# Altium PCB CL-HC-M-V2.1gerber.PcbDoc (part 11 of 16)
Units mil, origin at the board's own origin, x right, y up, seen from the top; angles counter-clockwise.
Board outline 27559.06 x 27559.06 mil, 2 copper layers (TopLayer, BottomLayer); 575 components, 528 nets, 1941 pads, 1850 vias.
Unrouted connection lines stored in the file: 70.
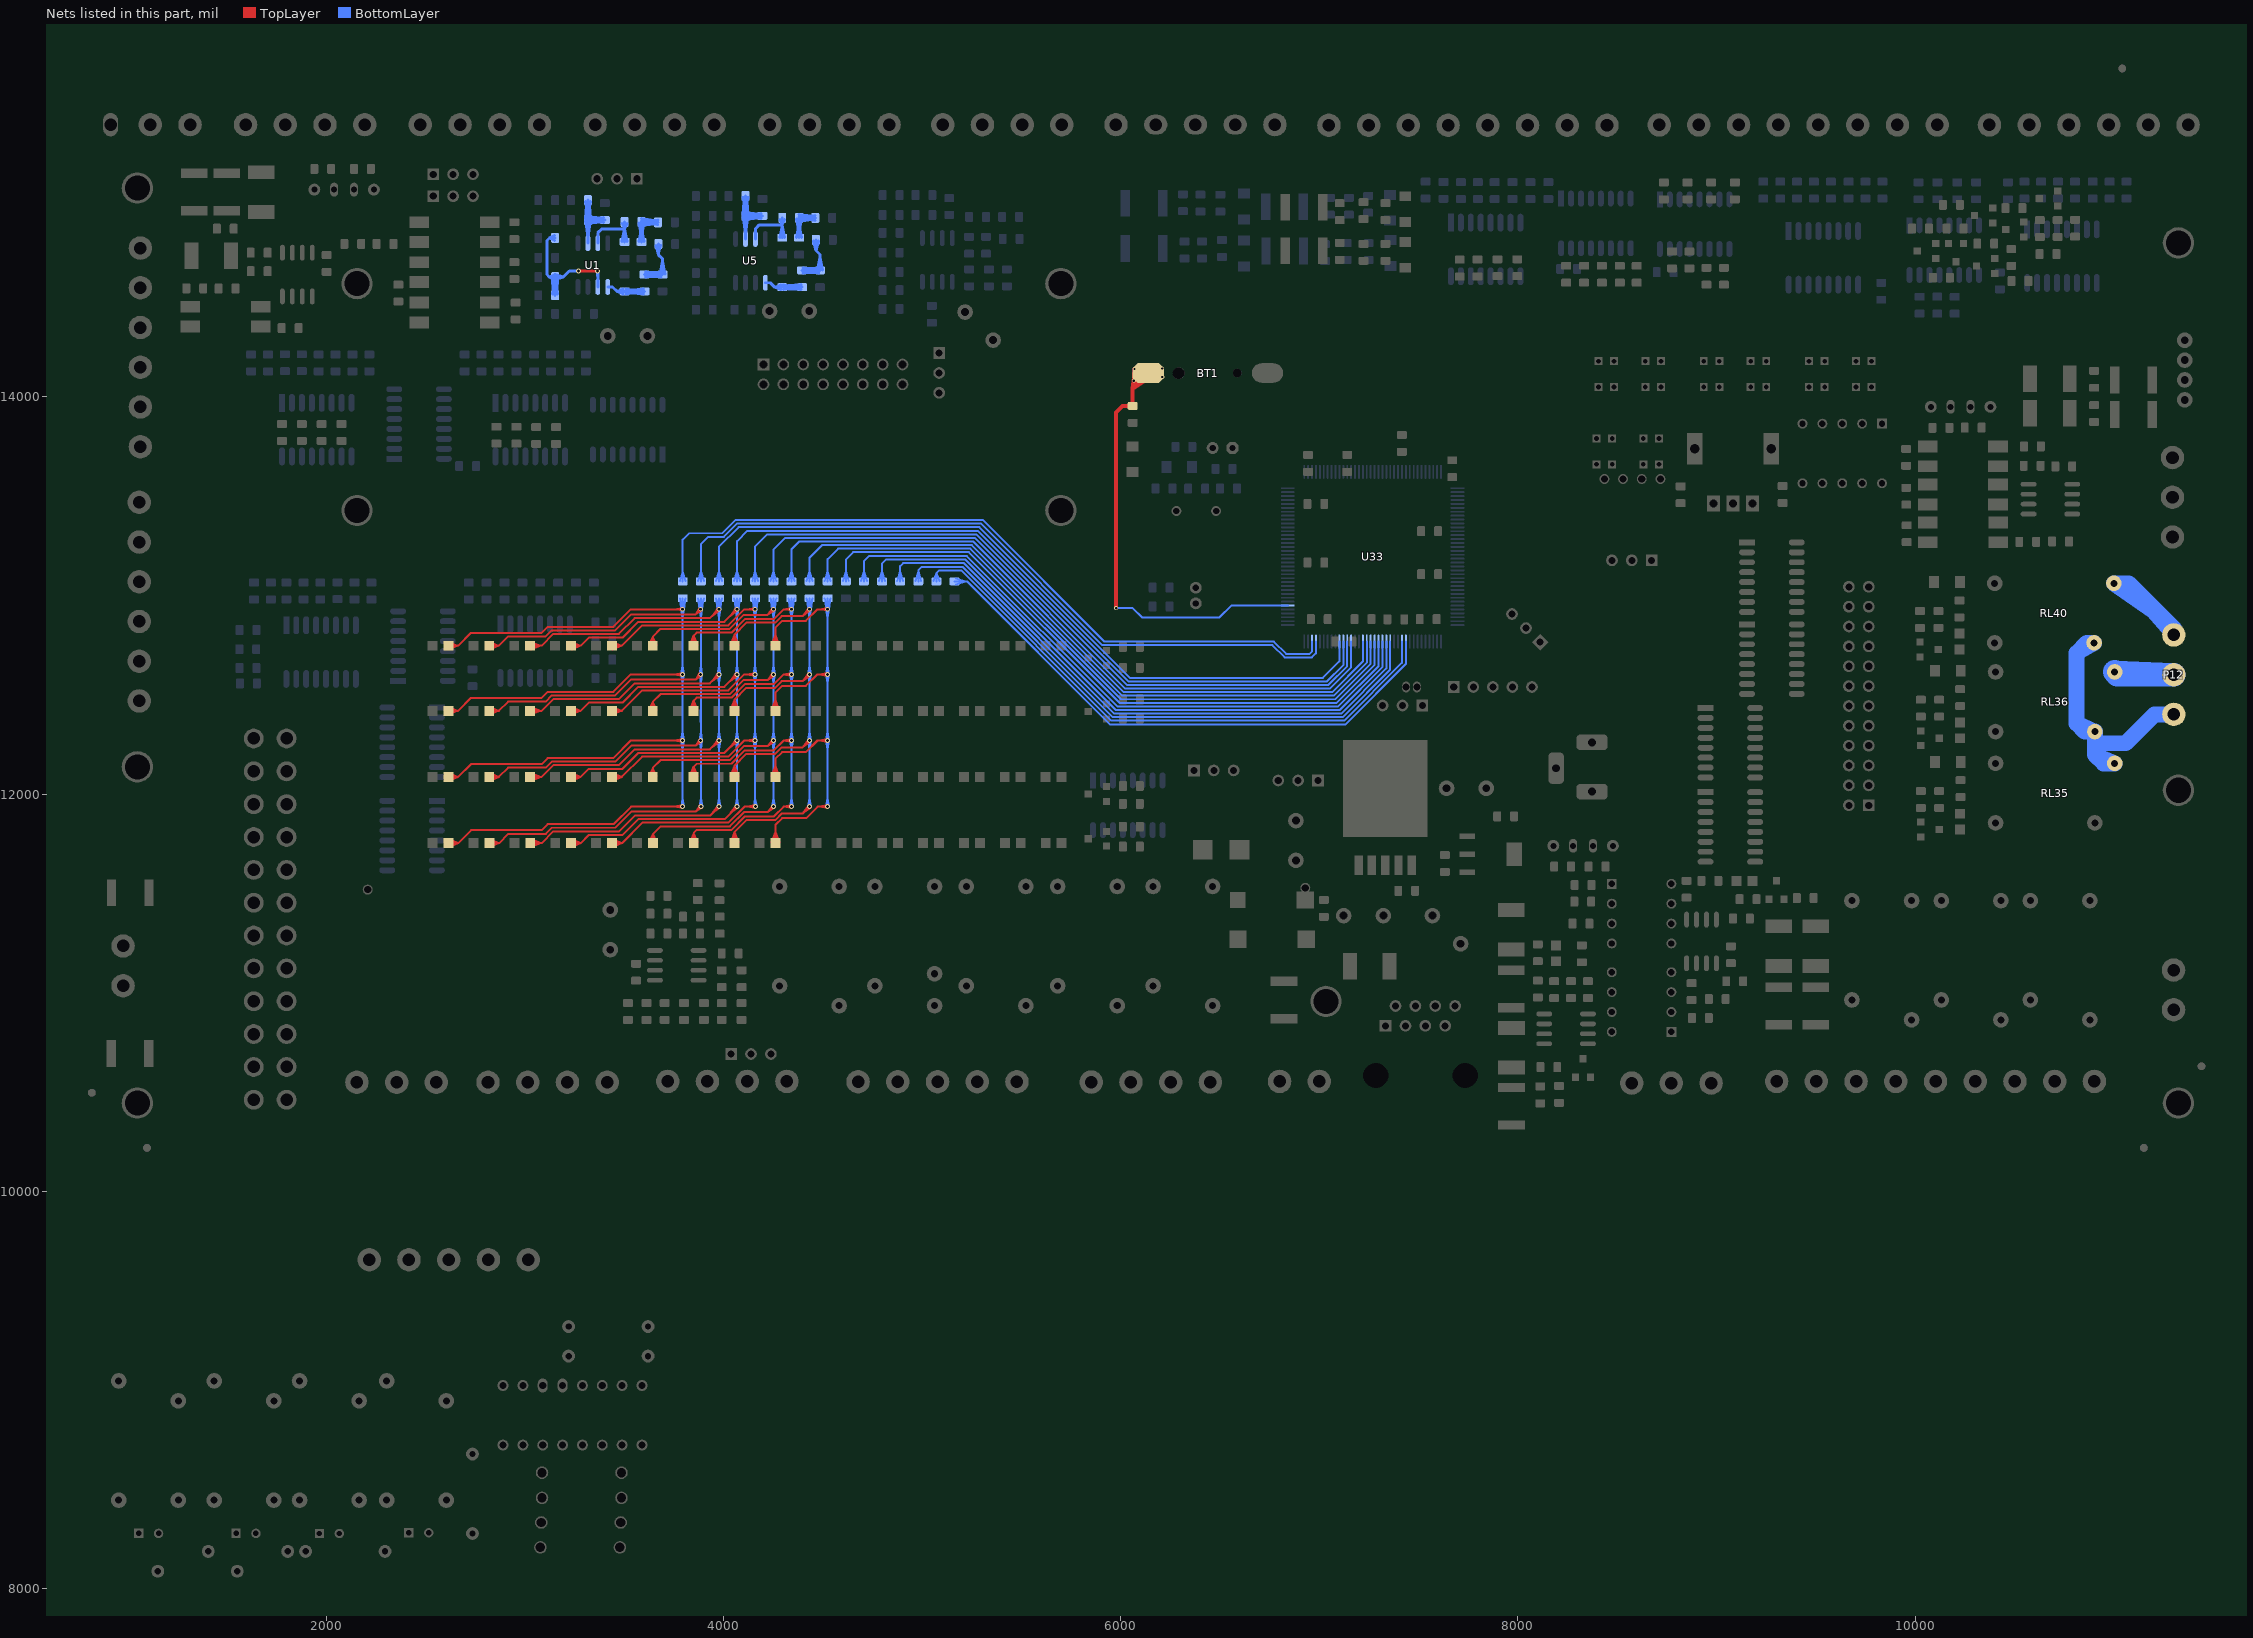
[diagram p11: the nets of this part, all layers, seen from the top]

## Via types
v1: diameter 25, hole 15, TopLayer to BottomLayer, tented both sides, 1813 vias
v2: diameter 20, hole 12, TopLayer to BottomLayer, tented both sides, 24 vias
v3: diameter 25, hole 15, TopLayer to BottomLayer, 13 vias

## Nets (pads, with @x,y where several pads share a name; then routed paths per layer and width w, separated by ;. In a path a pad name is that pad's centre, name@x,y a point inside that pad or via, vN(x,y) a via of type N, cw(c..) or ccw(c..) an arc to the next point about the centre after c; other vN are vias at no path point) (continued)
LED-OUT-PIN08: LD8.K LD24.K LD40.K LD56.K R198.2 | length 5523.9
  TopLayer w10: LD40.K@4241.97,12090.19 4261.64,12141.56 ; LD24.K@4241.97,12423.18 4261.64,12474.54 ; LD8.K@4241.97,12750.8 4261.64,12802.17 ; LD56.K@4242.52,11757.21 4262.18,11808.58 ; LD40.K@4251.68,12087.47 4261.64,12141.56 ; LD24.K@4251.68,12420.45 4261.64,12474.54 ; LD8.K@4251.68,12748.07 4261.64,12802.17 ; LD56.K@4252.23,11754.48 4262.18,11808.58 ; LD24.K@4261.64,12419.54 4261.64,12511.04 4295.5,12544.89 4415.5,12544.89 4473.75,12603.14 v1(4524.12,12603.14) ; LD8.K@4261.64,12747.17 4261.64,12838.66 4295.5,12872.52 4415.5,12872.52 4473.75,12930.77 v1(4524.12,12930.77) ; LD40.K@4271.6,12087.47 4261.64,12141.56 ; LD24.K@4271.6,12420.45 4261.64,12474.54 ; LD8.K@4271.6,12748.07 4261.64,12802.17 ; LD56.K@4272.14,11754.48 4262.18,11808.58 ; LD40.K@4281.31,12090.2 4261.64,12141.56 ; LD24.K@4281.31,12423.18 4261.64,12474.54 ; LD8.K@4281.31,12750.8 4261.64,12802.17 ; LD56.K@4281.85,11757.21 4262.18,11808.58 ; v1@4523.46,12262.69 4481.62,12270.16 v1@4523.46,12277.63 ; v1@4523.46,12595.67 4481.62,12603.14 v1@4523.46,12610.61 ; v1@4523.46,12923.29 4481.62,12930.77 v1@4523.46,12938.24 ; v1@4524,11929.7 4482.17,11937.18 v1@4524,11944.65 ; v1(4524.12,12270.16) 4473.75,12270.16 4415.5,12211.91 4295.5,12211.91 4261.64,12178.05 LD40.K@4261.64,12086.56 4261.64,12141.56 ; v1(4524.67,11937.18) 4474.3,11937.18 4416.05,11878.93 4296.04,11878.93 4262.18,11845.07 4262.18,11753.58 4262.18,11808.58
  BottomLayer w10: R198.2@4510.09,12983.84 4524.92,12936.09 R198.2@4539.75,12983.84 ; v1@4516.65,12602.43 4524.4,12560.64 v1@4531.6,12602.53 ; v1@4516.66,12269.36 4524.92,12227.64 ; v1@4516.66,12270.96 4524.92,12312.68 ; v1@4516.66,12602.34 4524.92,12560.62 ; v1@4516.66,12603.94 4524.92,12645.67 ; v1@4516.66,12929.96 4524.92,12888.24 ; v1@4516.66,12931.57 R198.2@4524.92,12973.28 ; v1@4516.72,12929.57 R198.2@4513.57,12972.63 ; v1@4517.13,12933.47 R198.2@4536.11,12972.13 ; v1@4517.2,11937.88 4524.92,11979.68 ; 4524.12,12363.38 4524.92,12483.26 ; v1(4524.67,11937.18) 4524.92,11979.68 ; v1@4524.92,11937.18 4524.92,12483.26 ; R198.2@4524.92,12986.09 4524.92,12483.26 ; v1@4531.21,12933.22 R198.2@4513.57,12972.63 ; v1@4531.48,12929.31 R198.2@4536.11,12972.13 ; v1@4531.6,12269.64 4524.92,12227.64 ; v1@4531.6,12270.68 4524.92,12312.68 ; v1@4531.6,12602.62 4524.92,12560.62 ; v1@4531.6,12603.66 4524.92,12645.67 ; v1@4531.6,12930.24 4524.92,12888.24 ; v1@4531.6,12931.29 R198.2@4524.92,12973.28 ; v1@4532.14,11937.79 4524.92,11979.68 ; R198.2@4513.57,12972.63 v1(4524.12,12930.77) ; v1(4524.12,12603.14) 4524.92,12483.26 ; v1(4524.12,12603.14) 4524.92,12645.67 ; v1(4524.12,12603.14) 4524.92,12560.62 ; v1(4524.12,12930.77) R198.2@4536.11,12972.13 ; v1(4524.12,12930.77) R198.2@4524.92,12973.28 ; v1(4524.12,12930.77) 4524.92,12888.24 ; 4524.92,12227.64 v1(4524.12,12270.16) 4524.92,12312.68
LED-OUT-PIN09: LD9.K LD25.K LD41.K LD57.K R199.2 | length 5500.1
  TopLayer w10: LD41.K@4036.18,12090.19 4055.85,12141.56 ; LD25.K@4036.18,12423.18 4055.85,12474.54 ; LD9.K@4036.18,12750.8 4055.85,12802.17 ; LD57.K@4036.73,11757.21 4056.39,11808.58 ; LD41.K@4045.89,12087.47 4055.85,12141.56 ; LD25.K@4045.89,12420.45 4055.85,12474.54 ; LD9.K@4045.89,12748.07 4055.85,12802.17 ; LD57.K@4046.43,11754.48 4056.39,11808.58 ; LD41.K@4055.85,12086.56 4055.85,12142.83 4115.33,12202.32 4260.32,12202.32 4293.53,12235.53 4399.06,12235.53 v1(4433.69,12270.16) 4399.98,12236.45 ; LD25.K@4055.85,12419.54 4055.85,12475.82 4115.33,12535.3 4260.32,12535.3 4293.53,12568.51 4399.06,12568.51 v1(4433.69,12603.14) 4399.98,12569.43 ; LD9.K@4055.85,12747.17 4055.85,12803.44 4115.33,12862.92 4260.32,12862.92 4293.53,12896.14 4399.06,12896.14 v1(4433.69,12930.77) 4399.98,12897.05 ; LD57.K@4056.39,11753.58 4056.39,11809.85 4115.88,11869.33 4260.86,11869.33 4294.07,11902.55 4399.61,11902.55 v1(4434.24,11937.18) 4400.52,11903.46 ; LD41.K@4065.81,12087.47 4055.85,12141.56 ; LD25.K@4065.81,12420.45 4055.85,12474.54 ; LD9.K@4065.81,12748.07 4055.85,12802.17 ; LD57.K@4066.35,11754.48 4056.39,11808.58 ; LD41.K@4075.52,12090.19 4055.85,12141.56 ; LD25.K@4075.52,12423.18 4055.85,12474.54 ; LD9.K@4075.52,12750.8 4055.85,12802.17 ; LD57.K@4076.06,11757.21 4056.39,11808.58 ; v1@4427.99,12275.03 4399.98,12236.45 ; v1@4427.99,12608.01 4399.98,12569.43 ; v1@4427.99,12935.64 4399.98,12897.05 ; v1@4428.53,11942.05 4400.52,11903.46 ; v1@4438.56,12264.45 4399.98,12236.45 ; v1@4438.56,12597.44 4399.98,12569.43 ; v1@4438.56,12925.06 4399.98,12897.05 ; v1@4439.11,11931.47 4400.52,11903.46
  BottomLayer w10: R199.2@4418.86,12983.84 4433.69,12936.09 R199.2@4448.52,12983.84 ; v1@4426.22,12269.5 4433.69,12227.66 v1@4441.16,12269.5 ; v1@4426.22,12270.82 4433.69,12312.66 v1@4441.16,12270.82 ; v1@4426.22,12602.48 4433.69,12560.64 v1@4441.16,12602.48 ; v1@4426.22,12603.8 4433.69,12645.64 v1@4441.16,12603.8 ; v1@4426.22,12930.1 4433.69,12888.27 ; v1@4426.22,12931.43 4433.69,12973.27 v1@4441.16,12931.43 ; v1@4426.31,12929.44 R199.2@4422.43,12972.36 ; v1@4426.65,12933.35 R199.2@4444.96,12972.36 ; v1@4426.76,11937.74 4433.69,11979.69 ; v1@4433.69,11937.18 4433.69,12489.78 ; 4433.69,12476.74 v1(4433.69,12930.77) ; R199.2@4433.69,12986.09 v1(4433.69,12930.77) ; v1(4434.24,11937.18) 4433.69,11979.69 ; v1@4440.73,12933.35 R199.2@4422.43,12972.36 ; v1@4441.08,12929.44 R199.2@4444.96,12972.36 ; v1@4441.16,12930.1 4433.69,12888.27 ; v1@4441.7,11937.93 4433.69,11979.69 ; R199.2@4422.43,12972.36 v1(4433.69,12930.77) ; 4433.69,12888.27 v1(4433.69,12930.77) ; v1(4433.69,12930.77) R199.2@4444.96,12972.36
LED-OUT-PIN10: LD10.K LD26.K LD42.K LD58.K R200.2 | length 5663.5
  TopLayer w10: LD42.K@3830.44,12090.45 3850.06,12137.89 ; LD26.K@3830.44,12423.44 3850.06,12470.88 ; LD10.K@3830.44,12751.06 3850.06,12798.5 ; LD58.K@3830.99,11757.47 3850.6,11804.91 ; LD42.K@3840.11,12087.53 3850.06,12137.89 ; LD26.K@3840.11,12420.52 3850.06,12470.88 ; LD10.K@3840.11,12748.14 3850.06,12798.5 ; LD58.K@3840.65,11754.55 3850.6,11804.91 ; LD42.K@3850.06,12086.56 3850.06,12137.89 ; LD26.K@3850.06,12419.54 3850.06,12470.88 ; LD10.K@3850.06,12747.17 3850.06,12798.5 ; LD58.K@3850.6,11753.58 3850.6,11804.91 ; LD42.K@3860.01,12087.53 3850.06,12137.89 ; LD26.K@3860.01,12420.52 3850.06,12470.88 ; LD10.K@3860.01,12748.14 3850.06,12798.5 ; LD58.K@3860.56,11754.55 3850.6,11804.91 ; LD42.K@3869.68,12090.45 3850.06,12137.89 ; LD26.K@3869.68,12423.44 3850.06,12470.88 ; LD10.K@3869.68,12751.06 3850.06,12798.5 ; LD58.K@3870.22,11757.47 3850.6,11804.91 ; v1@4341.76,12262.69 4302.7,12270.16 ; v1@4341.76,12277.63 4302.7,12270.16 ; v1@4341.76,12595.67 4302.7,12603.14 ; v1@4341.76,12610.61 4302.7,12603.14 ; v1@4341.76,12923.3 4302.7,12930.77 ; v1@4341.76,12938.23 4302.7,12930.77 ; v1@4342.3,11929.71 4303.25,11937.18 ; v1@4342.3,11944.64 4303.25,11937.18 ; v1(4342.47,12270.16) 4302.7,12270.16 ; v1(4342.47,12603.14) 4302.7,12603.14 ; v1(4342.47,12930.77) 4302.7,12930.77 ; v1(4343.01,11937.18) 4303.25,11937.18 ; 3850.06,12137.89 3865.16,12152.99 4040.55,12152.99 4107.88,12220.32 4252.86,12220.32 4302.7,12270.16 ; 3850.06,12470.88 3865.16,12485.98 4040.55,12485.98 4107.88,12553.3 4252.86,12553.3 4302.7,12603.14 ; 3850.06,12798.5 3865.16,12813.6 4040.55,12813.6 4107.88,12880.92 4252.86,12880.92 4302.7,12930.77 ; 3850.6,11804.91 3865.7,11820.01 4041.1,11820.01 4108.42,11887.33 4253.41,11887.33 4303.25,11937.18
  BottomLayer w10: R200.2@4327.64,12983.84 v1@4342.47,12936.12 ; v1@4334.99,12269.5 4342.47,12227.66 v1@4349.94,12269.5 ; v1@4334.99,12270.82 4342.47,12312.66 v1@4349.94,12270.82 ; v1@4334.99,12602.48 4342.47,12560.64 v1@4349.94,12602.48 ; v1@4334.99,12603.8 4342.47,12645.64 v1@4349.94,12603.8 ; v1@4334.99,12930.1 4342.47,12888.27 ; v1@4334.99,12931.43 R200.2@4342.47,12973.27 ; v1@4335.08,12929.44 R200.2@4331.2,12972.36 ; v1@4335.42,12933.35 R200.2@4353.73,12972.36 ; v1@4335.53,11937.74 4342.47,11979.69 ; v1@4342.47,11937.18 4342.47,12483.26 v1(4342.47,12603.14) v1@4342.47,12936.12 ; R200.2@4342.47,12986.09 v1@4342.47,12936.12 ; v1(4343.01,11937.18) 4342.47,11979.69 ; v1@4349.51,12933.35 R200.2@4331.2,12972.36 ; v1@4349.85,12929.44 R200.2@4353.73,12972.36 ; v1@4349.94,12930.1 4342.47,12888.27 ; v1@4349.94,12931.43 R200.2@4342.47,12973.27 ; v1@4350.47,11937.93 4342.47,11979.69 ; R200.2@4357.3,12983.84 v1@4342.47,12936.12 ; R200.2@4331.2,12972.36 v1(4342.47,12930.77) ; 4342.47,12888.27 v1(4342.47,12930.77) ; v1(4342.47,12930.77) R200.2@4342.47,12973.27 ; v1(4342.47,12930.77) R200.2@4353.73,12972.36
LED-OUT-PIN11: LD11.K LD27.K LD43.K LD59.K R201.2 | length 6099.5
  TopLayer w10: LD43.K@3624.76,12090.97 3644.27,12131.93 ; LD27.K@3624.76,12423.95 3644.27,12464.92 ; LD11.K@3624.76,12751.57 3644.27,12792.54 ; LD59.K@3625.3,11757.98 3644.81,11798.95 ; LD43.K@3634.33,12087.66 3644.27,12131.93 ; LD27.K@3634.33,12420.64 3644.27,12464.92 ; LD11.K@3634.33,12748.27 3644.27,12792.54 ; LD59.K@3634.87,11754.68 3644.81,11798.95 ; LD43.K@3644.27,12086.56 3644.27,12131.93 ; LD27.K@3644.27,12419.54 3644.27,12464.92 ; LD11.K@3644.27,12747.17 3644.27,12792.54 ; LD59.K@3644.81,11753.58 3644.81,11798.95 ; LD43.K@3654.21,12087.66 3644.27,12131.93 ; LD27.K@3654.21,12420.64 3644.27,12464.92 ; LD11.K@3654.21,12748.27 3644.27,12792.54 ; LD59.K@3654.75,11754.68 3644.81,11798.95 ; LD43.K@3663.78,12090.97 3644.27,12131.93 ; LD27.K@3663.78,12423.95 3644.27,12464.92 ; LD11.K@3663.78,12751.57 3644.27,12792.54 ; LD59.K@3664.32,11757.98 3644.81,11798.95 ; v1@4245.46,12274.94 4223.13,12242.05 ; v1@4245.46,12607.92 4223.13,12575.03 ; v1@4245.46,12935.54 4223.13,12902.65 ; v1@4246.01,11941.96 4223.67,11909.06 ; v1@4256.02,12264.38 4223.13,12242.05 ; v1@4256.02,12597.36 4223.13,12575.03 ; v1@4256.02,12924.99 4223.13,12902.65 ; v1@4256.56,11931.4 4223.67,11909.06 ; 3644.27,12131.93 3683.33,12170.99 4031.88,12170.99 4102.93,12242.05 4223.13,12242.05 ; 3644.27,12464.92 3683.33,12503.98 4031.88,12503.98 4102.93,12575.03 4223.13,12575.03 ; 3644.27,12792.54 3683.33,12831.6 4031.88,12831.6 4102.93,12902.65 4223.13,12902.65 ; 3644.81,11798.95 3683.87,11838.01 4032.42,11838.01 4103.48,11909.06 4223.67,11909.06 ; 4223.13,12242.05 v1(4251.24,12270.16) 4223.13,12242.05 ; 4223.13,12575.03 v1(4251.24,12603.14) 4223.13,12575.03 ; 4223.13,12902.65 v1(4251.24,12930.77) 4223.13,12902.65 ; 4223.67,11909.06 v1(4251.79,11937.18) 4223.67,11909.06
  BottomLayer w10: R201.2@4236.41,12983.84 4251.24,12936.09 R201.2@4266.07,12983.84 ; v1@4243.77,12269.5 4251.24,12227.66 v1@4258.71,12269.5 ; v1@4243.77,12270.82 4251.24,12312.66 v1@4258.71,12270.82 ; v1@4243.77,12602.48 4251.24,12560.64 v1@4258.71,12602.48 ; v1@4243.77,12603.8 4251.24,12645.64 v1@4258.71,12603.8 ; v1@4243.77,12930.1 4251.24,12888.27 v1@4258.71,12930.1 ; v1@4243.77,12931.43 4251.24,12973.27 v1@4258.71,12931.43 ; v1@4243.86,12929.44 R201.2@4239.97,12972.36 ; v1@4244.2,12933.35 R201.2@4262.5,12972.36 ; v1@4244.31,11937.74 4251.24,11979.69 ; v1@4251.24,11937.18 4251.24,12489.78 ; 4251.24,12476.74 R201.2@4251.24,12986.09 ; v1(4251.79,11937.18) 4251.24,11979.69 ; v1@4258.28,12933.35 R201.2@4239.97,12972.36 ; v1@4258.62,12929.44 R201.2@4262.5,12972.36 ; v1@4259.25,11937.93 4251.24,11979.69 ; R201.2@4239.97,12972.36 v1(4251.24,12930.77) R201.2@4262.5,12972.36
LED-OUT-PIN12: LD12.K LD28.K LD44.K LD60.K R202.2 | length 6702.4
  TopLayer w10: LD28.K@3438.48,12419.54 3488.85,12419.54 ; LD44.K@3439.47,12076.61 3488.85,12086.56 ; LD44.K@3439.47,12096.51 3488.85,12086.56 ; LD28.K@3439.47,12409.59 3488.85,12419.54 ; LD28.K@3439.47,12429.49 3488.85,12419.54 ; LD12.K@3439.47,12737.21 3488.85,12747.17 ; LD12.K@3439.47,12757.12 3488.85,12747.17 ; LD60.K@3440.01,11743.62 3489.39,11753.58 ; LD60.K@3440.01,11763.53 3489.39,11753.58 ; LD44.K@3442.45,12066.96 3488.85,12086.56 ; LD44.K@3442.45,12106.16 3488.85,12086.56 ; LD28.K@3442.45,12399.94 3488.85,12419.54 ; LD28.K@3442.45,12439.14 3488.85,12419.54 ; LD12.K@3442.45,12727.56 3488.85,12747.17 ; LD12.K@3442.45,12766.77 3488.85,12747.17 ; LD60.K@3442.99,11733.97 3489.39,11753.58 ; LD60.K@3442.99,11773.18 3489.39,11753.58 ; v1@4159.35,12262.69 4117.51,12270.16 ; v1@4159.35,12277.63 4117.51,12270.16 ; v1@4159.35,12595.67 4117.51,12603.14 ; v1@4159.35,12610.61 4117.51,12603.14 ; v1@4159.35,12923.29 4117.51,12930.77 ; v1@4159.35,12938.24 4117.51,12930.77 ; v1@4159.9,11929.7 4118.06,11937.18 ; v1@4159.9,11944.65 4118.06,11937.18 ; 3488.85,12086.56 LD44.K@3438.48,12086.56 3488.85,12086.56 ; 3488.85,12086.56 3591.28,12188.99 4024.42,12188.99 4105.59,12270.16 v1(4160.01,12270.16) 4117.51,12270.16 ; 3488.85,12419.54 3591.28,12521.98 4024.42,12521.98 4105.59,12603.14 v1(4160.01,12603.14) 4117.51,12603.14 ; 3488.85,12747.17 LD12.K@3438.48,12747.17 3488.85,12747.17 ; 3488.85,12747.17 3591.28,12849.6 4024.42,12849.6 4105.59,12930.77 v1(4160.01,12930.77) 4117.51,12930.77 ; 3489.39,11753.58 LD60.K@3439.02,11753.58 3489.39,11753.58 ; 3489.39,11753.58 3591.83,11856.01 4024.97,11856.01 4106.13,11937.18 v1(4160.56,11937.18) 4118.06,11937.18
  BottomLayer w10: R202.2@4145.18,12983.84 4160.01,12936.09 R202.2@4174.84,12983.84 ; v1@4152.54,12269.5 4160.01,12227.66 v1@4167.48,12269.5 ; v1@4152.54,12270.82 4160.01,12312.66 v1@4167.48,12270.82 ; v1@4152.54,12602.48 4160.01,12560.64 v1@4167.48,12602.48 ; v1@4152.54,12603.8 4160.01,12645.64 v1@4167.48,12603.8 ; v1@4152.54,12930.1 4160.01,12888.27 v1@4167.48,12930.1 ; v1@4152.54,12931.43 4160.01,12973.27 v1@4167.48,12931.43 ; v1@4152.63,12929.44 R202.2@4148.75,12972.36 ; v1@4152.97,12933.35 R202.2@4171.28,12972.36 ; v1@4153.08,11937.74 4160.01,11979.69 ; v1@4160.01,11937.18 4160.01,12483.26 v1(4160.01,12603.14) v1(4160.01,12930.77) ; R202.2@4160.01,12986.09 v1(4160.01,12930.77) ; v1(4160.56,11937.18) 4160.01,11979.69 ; v1@4167.05,12933.35 R202.2@4148.75,12972.36 ; v1@4167.4,12929.44 R202.2@4171.28,12972.36 ; v1@4168.02,11937.93 4160.01,11979.69 ; R202.2@4148.75,12972.36 v1(4160.01,12930.77) ; v1(4160.01,12930.77) R202.2@4171.28,12972.36
LED-OUT-PIN13: LD13.K LD29.K LD45.K LD61.K R203.2 | length 7924.4
  TopLayer w10: LD29.K@3232.69,12419.54 3281.42,12419.54 ; LD13.K@3232.69,12747.17 3281.42,12747.17 ; LD45.K@3233.71,12076.61 3281.42,12086.56 ; LD45.K@3233.71,12096.51 3281.42,12086.56 ; LD29.K@3233.71,12409.59 3281.42,12419.54 ; LD29.K@3233.71,12429.49 3281.42,12419.54 ; LD13.K@3233.71,12737.22 3281.42,12747.17 ; LD13.K@3233.71,12757.11 3281.42,12747.17 ; LD61.K@3234.26,11743.63 3281.96,11753.58 ; LD61.K@3234.26,11763.52 3281.96,11753.58 ; LD45.K@3236.79,12066.98 3281.42,12086.56 ; LD45.K@3236.79,12106.13 3281.42,12086.56 ; LD29.K@3236.79,12399.97 3281.42,12419.54 ; LD29.K@3236.79,12439.12 3281.42,12419.54 ; LD13.K@3236.79,12727.59 3281.42,12747.17 ; LD13.K@3236.79,12766.74 3281.42,12747.17 ; LD61.K@3237.34,11734 3281.96,11753.58 ; LD61.K@3237.34,11773.15 3281.96,11753.58 ; v1@4062.54,12275.03 4034.53,12236.45 ; v1@4062.54,12608.01 4034.53,12569.43 ; v1@4062.54,12935.64 4034.53,12897.05 ; v1@4063.09,11942.05 4035.08,11903.46 ; v1@4073.11,12264.45 4034.53,12236.45 ; v1@4073.11,12597.44 4034.53,12569.43 ; v1@4073.11,12925.06 4034.53,12897.05 ; v1@4073.66,11931.47 4035.08,11903.46 ; 3281.42,12086.56 LD45.K@3232.69,12086.56 3281.42,12086.56 ; 3281.42,12086.56 3322.62,12127.76 3491.79,12127.76 3571.02,12206.99 4005.08,12206.99 v1(4068.25,12270.16) 4034.53,12236.45 ; 3281.42,12419.54 3322.62,12460.74 3491.79,12460.74 3571.02,12539.98 4005.08,12539.98 v1(4068.25,12603.14) 4034.53,12569.43 ; 3281.42,12747.17 3322.62,12788.37 3491.79,12788.37 3571.02,12867.6 4005.08,12867.6 v1(4068.25,12930.77) 4034.53,12897.05 ; 3281.96,11753.58 LD61.K@3233.23,11753.58 3281.96,11753.58 ; 3281.96,11753.58 3323.16,11794.78 3492.33,11794.78 3571.56,11874.01 4005.62,11874.01 v1(4068.79,11937.18) 4035.08,11903.46
  BottomLayer w10: R203.2@4053.95,12983.84 v1@4068.79,12936.09 ; v1@4060.78,12269.4 4068.79,12227.65 ; v1@4060.78,12270.92 4068.79,12312.67 ; v1@4060.78,12602.38 4068.79,12560.63 ; v1@4060.78,12602.45 4068.43,12560.64 v1@4075.72,12602.51 ; v1@4060.78,12603.9 4068.79,12645.65 ; v1@4060.78,12930.01 4068.79,12888.25 ; v1@4060.85,12929.53 R203.2@4057.46,12972.54 ; v1@4061.24,12933.43 R203.2@4080,12972.2 ; v1@4061.32,11937.84 4068.79,11979.68 ; 4068.25,12363.38 4068.79,12489.78 v1(4068.79,11937.18) 4068.79,11979.68 ; v1@4075.32,12933.26 R203.2@4057.46,12972.54 ; v1@4075.61,12929.35 R203.2@4080,12972.2 ; v1@4075.72,12269.59 4068.79,12227.65 ; v1@4075.72,12270.72 4068.79,12312.67 ; v1@4075.72,12602.58 4068.79,12560.63 ; v1@4075.72,12603.71 4068.79,12645.65 ; v1@4075.72,12930.2 4068.79,12888.25 ; v1@4076.26,11937.84 4068.79,11979.68 ; R203.2@4083.62,12983.84 v1@4068.79,12936.09 ; R203.2@4057.46,12972.54 v1(4068.25,12930.77) ; v1(4068.25,12603.14) 4068.79,12476.74 R203.2@4068.79,12986.09 v1@4068.79,12936.09 ; v1(4068.25,12603.14) 4068.79,12645.65 ; v1(4068.25,12603.14) 4068.79,12560.63 ; v1(4068.25,12930.77) R203.2@4080,12972.2 ; v1(4068.25,12930.77) R203.2@4068.79,12973.28 ; v1(4068.25,12930.77) R203.2@4068.79,12973.27 ; v1(4068.25,12930.77) 4068.79,12888.25 ; 4068.79,12227.65 v1(4068.25,12270.16) 4068.79,12312.67 ; R203.2@4068.79,12973.28 4060.78,12931.52 R203.2@4068.79,12973.27 ; R203.2@4068.79,12973.28 4075.72,12931.33 R203.2@4068.79,12973.27
LED-OUT-PIN14: LD14.K LD30.K LD46.K LD62.K R204.2 | length 8359.4
  TopLayer w10: LD46.K@3026.9,12086.56 3084.3,12086.56 3143.51,12145.76 3473.94,12145.76 3553.17,12224.99 3931.85,12224.99 v1(3977.02,12270.16) 3943.31,12236.45 ; LD30.K@3026.9,12419.54 3084.3,12419.54 3143.51,12478.74 3473.94,12478.74 3553.17,12557.98 3931.85,12557.98 v1(3977.02,12603.14) 3943.31,12569.43 ; LD14.K@3026.9,12747.17 3084.3,12747.17 3143.51,12806.37 3473.94,12806.37 3553.17,12885.6 3931.85,12885.6 v1(3977.02,12930.77) 3943.31,12897.05 ; LD62.K@3027.44,11753.58 3084.85,11753.58 3144.05,11812.78 3474.48,11812.78 3553.71,11892.01 3932.4,11892.01 v1(3977.56,11937.18) 3943.85,11903.46 ; LD46.K@3027.81,12076.6 3081.9,12086.56 ; LD46.K@3027.81,12096.52 3081.9,12086.56 ; LD30.K@3027.81,12409.58 3081.9,12419.54 ; LD30.K@3027.81,12429.5 3081.9,12419.54 ; LD14.K@3027.81,12737.21 3081.9,12747.17 ; LD14.K@3027.81,12757.12 3081.9,12747.17 ; LD62.K@3028.35,11743.62 3082.44,11753.58 ; LD62.K@3028.35,11763.53 3082.44,11753.58 ; LD46.K@3030.53,12066.89 3081.9,12086.56 ; LD46.K@3030.53,12106.23 3081.9,12086.56 ; LD30.K@3030.53,12399.87 3081.9,12419.54 ; LD30.K@3030.53,12439.21 3081.9,12419.54 ; LD14.K@3030.53,12727.5 3081.9,12747.17 ; LD14.K@3030.53,12766.83 3081.9,12747.17 ; LD62.K@3031.08,11733.91 3082.44,11753.58 ; LD62.K@3031.08,11773.24 3082.44,11753.58 ; v1@3971.32,12275.03 3943.31,12236.45 ; v1@3971.32,12608.01 3943.31,12569.43 ; v1@3971.32,12935.64 3943.31,12897.05 ; v1@3971.86,11942.05 3943.85,11903.46 ; v1@3981.89,12264.45 3943.31,12236.45 ; v1@3981.89,12597.44 3943.31,12569.43 ; v1@3981.89,12925.06 3943.31,12897.05 ; v1@3982.43,11931.47 3943.85,11903.46
  BottomLayer w10: R204.2@3962.73,12983.84 v1@3977.56,12936.09 ; v1@3969.56,12269.4 3977.56,12227.65 ; v1@3969.56,12270.92 3977.56,12312.67 ; v1@3969.56,12602.38 3977.56,12560.63 ; v1@3969.55,12602.45 3977.21,12560.64 v1@3984.49,12602.51 ; v1@3969.56,12603.9 3977.56,12645.65 ; v1@3969.56,12930.01 3977.56,12888.25 ; v1@3969.62,12929.53 R204.2@3966.24,12972.54 ; v1@3970.01,12933.43 R204.2@3988.77,12972.2 ; v1@3970.09,11937.84 3977.56,11979.68 ; 3977.02,12363.38 3977.56,12483.26 ; v1@3984.09,12933.26 R204.2@3966.24,12972.54 ; v1@3984.39,12929.35 R204.2@3988.77,12972.2 ; v1@3984.5,12269.59 3977.56,12227.65 ; v1@3984.5,12270.72 3977.56,12312.67 ; v1@3984.5,12602.58 3977.56,12560.63 ; v1@3984.5,12603.71 3977.56,12645.65 ; v1@3984.5,12930.2 3977.56,12888.25 ; v1@3985.03,11937.84 3977.56,11979.68 ; R204.2@3992.39,12983.84 v1@3977.56,12936.09 ; R204.2@3966.24,12972.54 v1(3977.02,12930.77) ; v1(3977.02,12603.14) 3977.56,12483.26 ; v1(3977.02,12603.14) 3977.56,12645.65 ; v1(3977.02,12603.14) 3977.56,12560.63 ; v1(3977.02,12930.77) R204.2@3988.77,12972.2 ; v1(3977.02,12930.77) R204.2@3977.56,12973.28 ; v1(3977.02,12930.77) R204.2@3977.56,12973.27 ; v1(3977.02,12930.77) 3977.56,12888.25 ; 3977.56,11979.68 v1(3977.56,11937.18) 3977.56,12483.26 ; 3977.56,12227.65 v1(3977.02,12270.16) 3977.56,12312.67 ; 3977.56,12483.26 R204.2@3977.56,12986.09 v1@3977.56,12936.09 ; R204.2@3977.56,12973.28 3969.56,12931.52 R204.2@3977.56,12973.27 ; R204.2@3977.56,12973.28 3984.5,12931.33 R204.2@3977.56,12973.27